# Altium PCB PCB1.PcbDoc (part 2 of 14)
Units mm, origin at the board's own origin, x right, y up, seen from the top; angles counter-clockwise.
Board outline 77.2 x 62.23 mm, 2 copper layers (Top Layer, Bottom Layer); 102 components, 131 nets, 23089 pads, 324 vias.
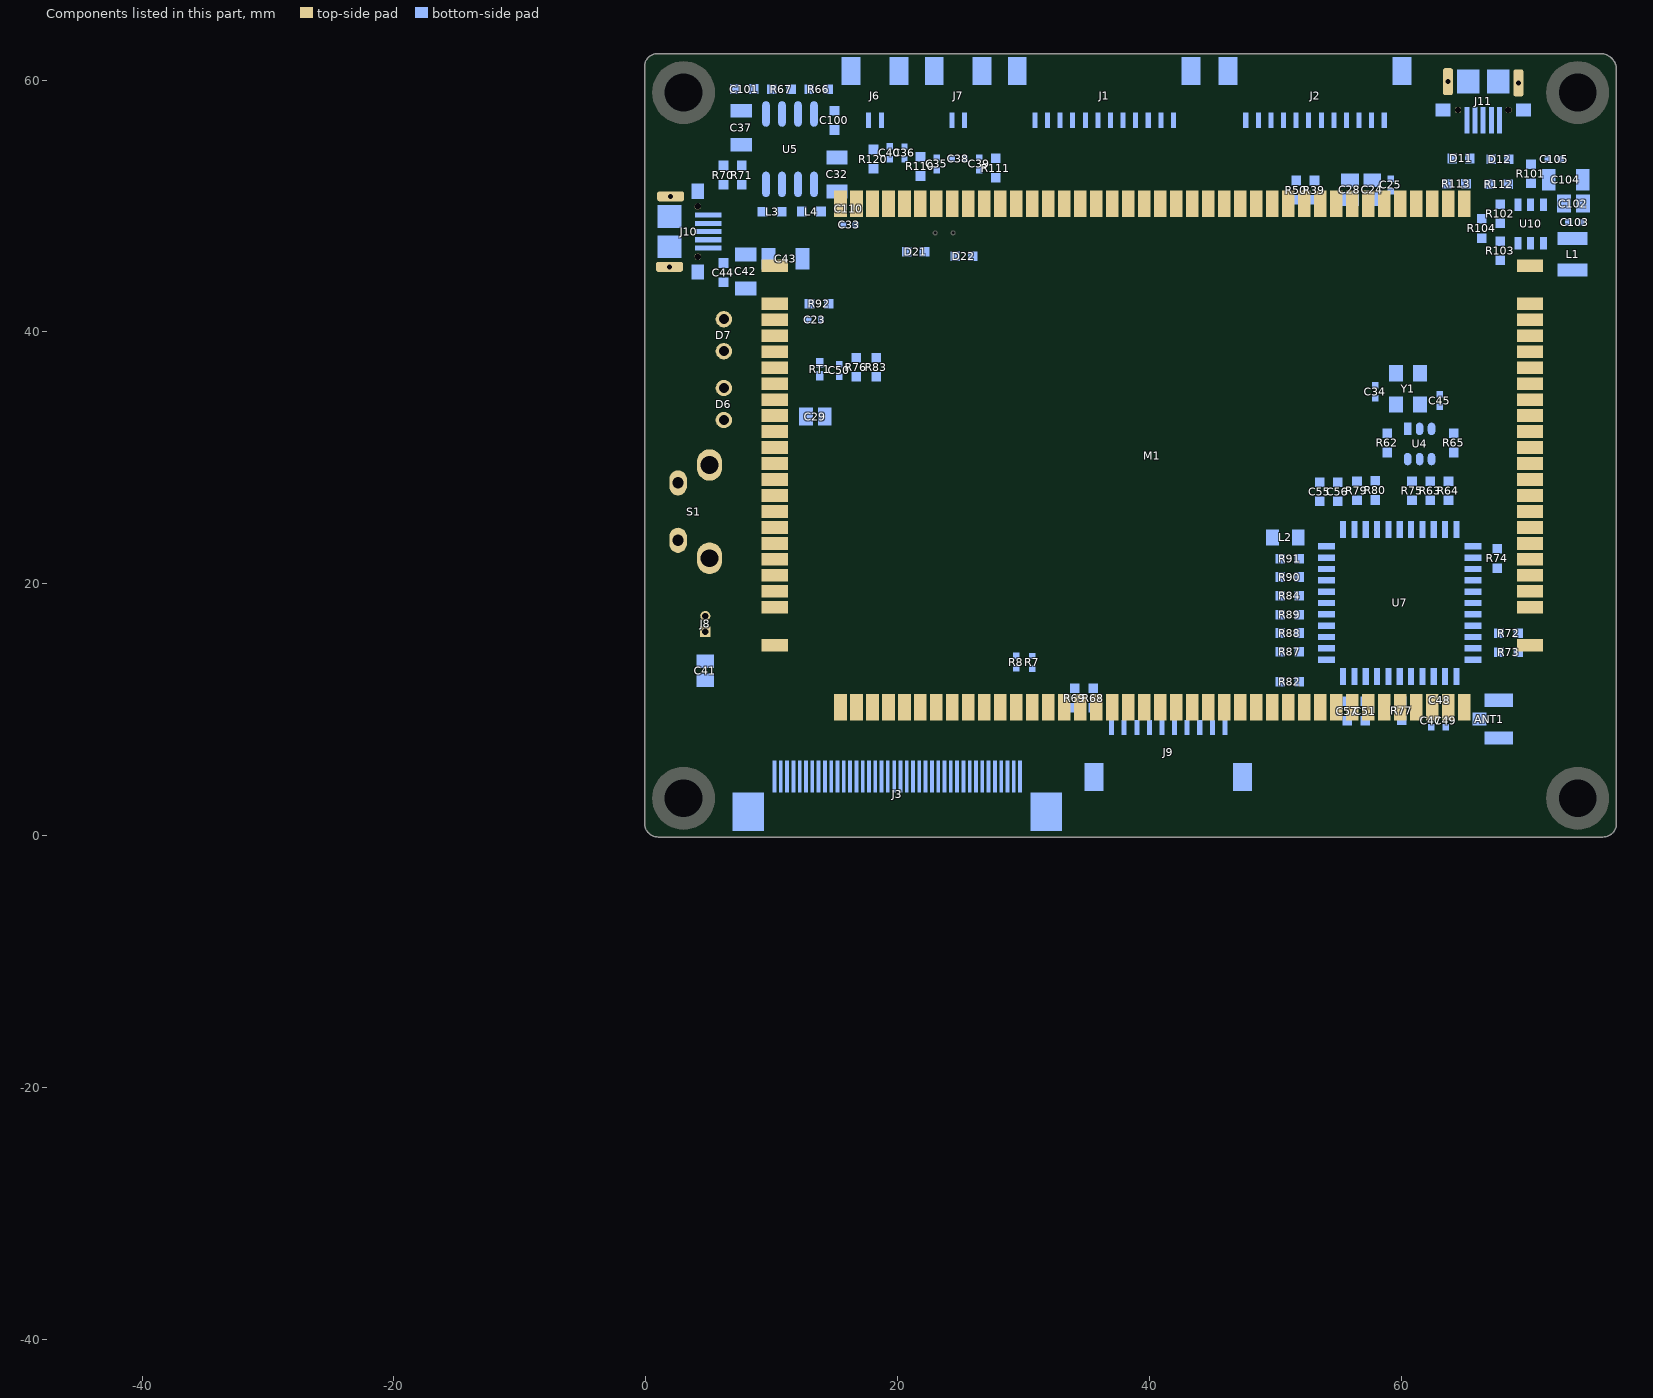
[diagram p2: the components of this part, seen from the top]

## Free pads (board coordinates) (continued)
  round 0 on Mech8: 1(-45.295,-40.487) 1(-45.295,-40.487) 1(-45.295,-40.487) 1(-45.295,-40.481) 1(-45.295,-40.481) 1(-45.295,-40.481) 1(-45.295,-40.491) 1(-45.295,-40.491) 1(-45.295,-40.491) 1(-45.295,-40.491) 1(-45.295,-40.491) 1(-45.295,-40.491) 1(-45.295,-40.487) 1(-45.295,-40.487) 1(-45.295,-40.487) 1(-45.295,-40.486) 1(-45.295,-40.486) 1(-45.295,-40.486) 1(-45.295,-40.486) 1(-45.295,-40.486) 1(-45.295,-40.486) 1(-45.295,-40.481) 1(-45.295,-40.481) 1(-45.295,-40.481) 1(-45.294,-40.491) 1(-45.294,-40.491) 1(-45.294,-40.491) 1(-45.294,-40.487) 1(-45.294,-40.487) 1(-45.294,-40.487) 1(-45.294,-40.486) 1(-45.294,-40.486) 1(-45.294,-40.486) 1(-45.294,-40.481) 1(-45.294,-40.481) 1(-45.294,-40.481) 1(-45.294,-40.479) 1(-45.294,-40.479) 1(-45.294,-40.479) 1(-45.294,-40.479) 1(-45.294,-40.479) 1(-45.294,-40.479) 1(-45.294,-40.472) 1(-45.294,-40.472) 1(-45.294,-40.472) 1(-45.294,-40.472) 1(-45.294,-40.472) 1(-45.294,-40.472) 1(-45.294,-40.491) 1(-45.294,-40.491) 1(-45.294,-40.491) 1(-45.294,-40.491) 1(-45.294,-40.491) 1(-45.294,-40.491) 1(-45.294,-40.487) 1(-45.294,-40.487) 1(-45.294,-40.487) 1(-45.294,-40.487) 1(-45.294,-40.487) 1(-45.294,-40.487) 1(-45.294,-40.486) 1(-45.294,-40.486) 1(-45.294,-40.486) 1(-45.294,-40.486) 1(-45.294,-40.486) 1(-45.294,-40.486) 1(-45.294,-40.481) 1(-45.294,-40.481) 1(-45.294,-40.481) 1(-45.294,-40.481) 1(-45.294,-40.481) 1(-45.294,-40.481) 1(-45.293,-40.49) 1(-45.293,-40.49) 1(-45.293,-40.49) 1(-45.293,-40.488) 1(-45.293,-40.488) 1(-45.293,-40.488) 1(-45.293,-40.485) 1(-45.293,-40.485) 1(-45.293,-40.485) 1(-45.293,-40.483) 1(-45.293,-40.483) 1(-45.293,-40.483) 1(-45.29,-40.508) 1(-45.29,-40.508) 1(-45.29,-40.508) 1(-45.29,-40.508) 1(-45.29,-40.508) 1(-45.29,-40.508) 1(-45.29,-40.505) 1(-45.29,-40.505) 1(-45.29,-40.505) 1(-45.29,-40.505) 1(-45.29,-40.505) 1(-45.29,-40.505) 1(-45.289,-40.49) 1(-45.289,-40.49) 1(-45.289,-40.49) 1(-45.289,-40.485) 1(-45.289,-40.485) 1(-45.289,-40.485) 1(-45.289,-40.479) 1(-45.289,-40.479) 1(-45.289,-40.479) 1(-45.289,-40.479) 1(-45.289,-40.479) 1(-45.289,-40.479) 1(-45.289,-40.477) 1(-45.289,-40.477) 1(-45.289,-40.477) 1(-45.289,-40.474) 1(-45.289,-40.474) 1(-45.289,-40.474) 1(-45.289,-40.472) 1(-45.289,-40.472) 1(-45.289,-40.472) 1(-45.289,-40.472) 1(-45.289,-40.472) 1(-45.289,-40.472) 1(-45.288,-40.488) 1(-45.288,-40.488) 1(-45.288,-40.488) 1(-45.288,-40.483) 1(-45.288,-40.483) 1(-45.288,-40.483) 1(-45.288,-40.472) 1(-45.288,-40.472) 1(-45.288,-40.472) 1(-45.288,-40.472) 1(-45.288,-40.472) 1(-45.288,-40.472) 1(-45.288,-40.471) 1(-45.288,-40.471) 1(-45.288,-40.471) 1(-45.288,-40.47) 1(-45.288,-40.47) 1(-45.288,-40.47) 1(-45.288,-40.469) 1(-45.288,-40.469) 1(-45.288,-40.469) 1(-45.288,-40.469) 1(-45.288,-40.469) 1(-45.288,-40.469) 1(-45.288,-40.508) 1(-45.288,-40.508) 1(-45.288,-40.508) 1(-45.288,-40.508) 1(-45.288,-40.508) 1(-45.288,-40.508) 1(-45.288,-40.505) 1(-45.288,-40.505) 1(-45.288,-40.505) 1(-45.288,-40.505) 1(-45.288,-40.505) 1(-45.288,-40.505) 1(-45.287,-40.472) 1(-45.287,-40.472) 1(-45.287,-40.472) 1(-45.287,-40.472) 1(-45.287,-40.472) 1(-45.287,-40.472) 1(-45.287,-40.471) 1(-45.287,-40.471) 1(-45.287,-40.471) 1(-45.287,-40.47) 1(-45.287,-40.47) 1(-45.287,-40.47) 1(-45.287,-40.469) 1(-45.287,-40.469) 1(-45.287,-40.469) 1(-45.287,-40.469) 1(-45.287,-40.469) 1(-45.287,-40.469) 1(-45.287,-40.472) 1(-45.287,-40.472) 1(-45.287,-40.472) 1(-45.287,-40.472) 1(-45.287,-40.472) 1(-45.287,-40.472) 1(-45.287,-40.471) 1(-45.287,-40.471) 1(-45.287,-40.471) 1(-45.287,-40.47) 1(-45.287,-40.47) 1(-45.287,-40.47) 1(-45.287,-40.469) 1(-45.287,-40.469) 1(-45.287,-40.469) 1(-45.287,-40.469) 1(-45.287,-40.469) 1(-45.287,-40.469) 1(-45.286,-40.506) 1(-45.286,-40.506) 1(-45.286,-40.506) 1(-45.286,-40.506) 1(-45.286,-40.506) 1(-45.286,-40.506) 1(-45.286,-40.505) 1(-45.286,-40.505) 1(-45.286,-40.505) 1(-45.286,-40.504) 1(-45.286,-40.504) 1(-45.286,-40.504) 1(-45.286,-40.503) 1(-45.286,-40.503) 1(-45.286,-40.503) 1(-45.286,-40.503) 1(-45.286,-40.503) 1(-45.286,-40.503) 1(-45.285,-40.496) 1(-45.285,-40.496) 1(-45.285,-40.496) 1(-45.285,-40.496) 1(-45.285,-40.496) 1(-45.285,-40.496) 1(-45.285,-40.495) 1(-45.285,-40.495) 1(-45.285,-40.495) 1(-45.285,-40.494) 1(-45.285,-40.494) 1(-45.285,-40.494) 1(-45.285,-40.493) 1(-45.285,-40.493) 1(-45.285,-40.493) 1(-45.285,-40.493) 1(-45.285,-40.493) 1(-45.285,-40.493) 1(-45.285,-40.472) 1(-45.285,-40.472) 1(-45.285,-40.472) 1(-45.285,-40.472) 1(-45.285,-40.472) 1(-45.285,-40.472) 1(-45.285,-40.471) 1(-45.285,-40.471) 1(-45.285,-40.471) 1(-45.285,-40.47) 1(-45.285,-40.47) 1(-45.285,-40.47) 1(-45.285,-40.469) 1(-45.285,-40.469) 1(-45.285,-40.469) 1(-45.285,-40.469) 1(-45.285,-40.469) 1(-45.285,-40.469) 1(-45.285,-40.503) 1(-45.285,-40.503) 1(-45.285,-40.503) 1(-45.285,-40.503) 1(-45.285,-40.503) 1(-45.285,-40.503) 1(-45.285,-40.502) 1(-45.285,-40.502) 1(-45.285,-40.502) 1(-45.285,-40.502) 1(-45.285,-40.502) 1(-45.285,-40.502) 1(-45.285,-40.509) 1(-45.285,-40.509) 1(-45.285,-40.509) 1(-45.285,-40.509) 1(-45.285,-40.509) 1(-45.285,-40.509) 1(-45.285,-40.508) 1(-45.285,-40.508) 1(-45.285,-40.508) 1(-45.285,-40.507) 1(-45.285,-40.507) 1(-45.285,-40.507) 1(-45.285,-40.506) 1(-45.285,-40.506) 1(-45.285,-40.506) 1(-45.285,-40.506) 1(-45.285,-40.506) 1(-45.285,-40.506) 1(-45.285,-40.506) 1(-45.285,-40.506) 1(-45.285,-40.506) 1(-45.285,-40.506) 1(-45.285,-40.506) 1(-45.285,-40.506) 1(-45.285,-40.505) 1(-45.285,-40.505) 1(-45.285,-40.505) 1(-45.285,-40.504) 1(-45.285,-40.504) 1(-45.285,-40.504) 1(-45.285,-40.503) 1(-45.285,-40.503) 1(-45.285,-40.503) 1(-45.285,-40.503) 1(-45.285,-40.503) 1(-45.285,-40.503) 1(-45.285,-40.474) 1(-45.285,-40.474) 1(-45.285,-40.474) 1(-45.285,-40.474) 1(-45.285,-40.474) 1(-45.285,-40.474) 1(-45.285,-40.473) 1(-45.285,-40.473) 1(-45.285,-40.473) 1(-45.285,-40.473) 1(-45.285,-40.473) 1(-45.285,-40.473) 1(-45.285,-40.506) 1(-45.285,-40.506) 1(-45.285,-40.506) 1(-45.285,-40.506) 1(-45.285,-40.506) 1(-45.285,-40.506) 1(-45.285,-40.505) 1(-45.285,-40.505) 1(-45.285,-40.505) 1(-45.285,-40.504) 1(-45.285,-40.504) 1(-45.285,-40.504) 1(-45.285,-40.503) 1(-45.285,-40.503) 1(-45.285,-40.503) 1(-45.285,-40.503) 1(-45.285,-40.503) 1(-45.285,-40.503) 1(-45.285,-40.499) 1(-45.285,-40.499) 1(-45.285,-40.499) 1(-45.285,-40.499) 1(-45.285,-40.499) 1(-45.285,-40.499) 1(-45.285,-40.498) 1(-45.285,-40.498) 1(-45.285,-40.498) 1(-45.285,-40.498) 1(-45.285,-40.498) 1(-45.285,-40.498) 1(-45.285,-40.497) 1(-45.285,-40.497) 1(-45.285,-40.497) 1(-45.285,-40.497) 1(-45.285,-40.497) 1(-45.285,-40.497) 1(-45.285,-40.47) 1(-45.285,-40.47) 1(-45.285,-40.47) 1(-45.285,-40.47) 1(-45.285,-40.47) 1(-45.285,-40.47) 1(-45.285,-40.469) 1(-45.285,-40.469) 1(-45.285,-40.469) 1(-45.285,-40.469) 1(-45.285,-40.469) 1(-45.285,-40.469) 1(-45.285,-40.468) 1(-45.285,-40.468) 1(-45.285,-40.468) 1(-45.285,-40.468) 1(-45.285,-40.468) 1(-45.285,-40.468) 1(-45.285,-40.467) 1(-45.285,-40.467) 1(-45.285,-40.467) 1(-45.285,-40.467) 1(-45.285,-40.467) 1(-45.285,-40.467) 1(-45.284,-40.465) 1(-45.284,-40.465) 1(-45.284,-40.465) 1(-45.284,-40.465) 1(-45.284,-40.465) 1(-45.284,-40.465) 1(-45.284,-40.463) 1(-45.284,-40.463) 1(-45.284,-40.463) 1(-45.284,-40.463) 1(-45.284,-40.463) 1(-45.284,-40.463) 1(-45.284,-40.496) 1(-45.284,-40.496) 1(-45.284,-40.496) 1(-45.284,-40.496) 1(-45.284,-40.496) 1(-45.284,-40.496) 1(-45.284,-40.495) 1(-45.284,-40.495) 1(-45.284,-40.495) 1(-45.284,-40.494) 1(-45.284,-40.494) 1(-45.284,-40.494) 1(-45.284,-40.493) 1(-45.284,-40.493) 1(-45.284,-40.493) 1(-45.284,-40.493) 1(-45.284,-40.493) 1(-45.284,-40.493) 1(-45.284,-40.503) 1(-45.284,-40.503) 1(-45.284,-40.503) 1(-45.284,-40.502) 1(-45.284,-40.502) 1(-45.284,-40.502) 1(-45.284,-40.474) 1(-45.284,-40.474) 1(-45.284,-40.474) 1(-45.284,-40.473) 1(-45.284,-40.473) 1(-45.284,-40.473) 1(-45.284,-40.496) 1(-45.284,-40.496) 1(-45.284,-40.496) 1(-45.284,-40.496) 1(-45.284,-40.496) 1(-45.284,-40.496) 1(-45.284,-40.495) 1(-45.284,-40.495) 1(-45.284,-40.495) 1(-45.284,-40.494) 1(-45.284,-40.494) 1(-45.284,-40.494) 1(-45.284,-40.493) 1(-45.284,-40.493) 1(-45.284,-40.493) 1(-45.284,-40.493) 1(-45.284,-40.493) 1(-45.284,-40.493) 1(-45.284,-40.509) 1(-45.284,-40.509) 1(-45.284,-40.509) 1(-45.284,-40.509) 1(-45.284,-40.509) 1(-45.284,-40.509) 1(-45.284,-40.508) 1(-45.284,-40.508) 1(-45.284,-40.508) 1(-45.284,-40.507) 1(-45.284,-40.507) 1(-45.284,-40.507) 1(-45.284,-40.506) 1(-45.284,-40.506) 1(-45.284,-40.506) 1(-45.284,-40.506) 1(-45.284,-40.506) 1(-45.284,-40.506) 1(-45.284,-40.509) 1(-45.284,-40.509) 1(-45.284,-40.509) 1(-45.284,-40.509) 1(-45.284,-40.509) 1(-45.284,-40.509) 1(-45.284,-40.508) 1(-45.284,-40.508) 1(-45.284,-40.508) 1(-45.284,-40.507) 1(-45.284,-40.507) 1(-45.284,-40.507) 1(-45.284,-40.506) 1(-45.284,-40.506) 1(-45.284,-40.506) 1(-45.284,-40.506) 1(-45.284,-40.506) 1(-45.284,-40.506) 1(-45.284,-40.506) 1(-45.284,-40.506) 1(-45.284,-40.506) 1(-45.284,-40.506) 1(-45.284,-40.506) 1(-45.284,-40.506) 1(-45.284,-40.505) 1(-45.284,-40.505) 1(-45.284,-40.505) 1(-45.284,-40.504) 1(-45.284,-40.504) 1(-45.284,-40.504) 1(-45.284,-40.503) 1(-45.284,-40.503) 1(-45.284,-40.503) 1(-45.284,-40.503) 1(-45.284,-40.503) 1(-45.284,-40.503) 1(-45.284,-40.499) 1(-45.284,-40.499) 1(-45.284,-40.499) 1(-45.284,-40.499) 1(-45.284,-40.499) 1(-45.284,-40.499) 1(-45.284,-40.498) 1(-45.284,-40.498) 1(-45.284,-40.498) 1(-45.284,-40.498) 1(-45.284,-40.498) 1(-45.284,-40.498) 1(-45.284,-40.497) 1(-45.284,-40.497) 1(-45.284,-40.497) 1(-45.284,-40.497) 1(-45.284,-40.497) 1(-45.284,-40.497) 1(-45.283,-40.503) 1(-45.283,-40.503) 1(-45.283,-40.503) 1(-45.283,-40.502) 1(-45.283,-40.502) 1(-45.283,-40.502) 1(-45.283,-40.465) 1(-45.283,-40.465) 1(-45.283,-40.465) 1(-45.283,-40.463) 1(-45.283,-40.463) 1(-45.283,-40.463) 1(-45.283,-40.474) 1(-45.283,-40.474) 1(-45.283,-40.474) 1(-45.283,-40.473) 1(-45.283,-40.473) 1(-45.283,-40.473) 1(-45.283,-40.496) 1(-45.283,-40.496) 1(-45.283,-40.496) 1(-45.283,-40.496) 1(-45.283,-40.496) 1(-45.283,-40.496) 1(-45.283,-40.495) 1(-45.283,-40.495) 1(-45.283,-40.495) 1(-45.283,-40.494) 1(-45.283,-40.494) 1(-45.283,-40.494) 1(-45.283,-40.493) 1(-45.283,-40.493) 1(-45.283,-40.493) 1(-45.283,-40.493) 1(-45.283,-40.493) 1(-45.283,-40.493) 1(-45.283,-40.496) 1(-45.283,-40.496) 1(-45.283,-40.496) 1(-45.283,-40.496) 1(-45.283,-40.496) 1(-45.283,-40.496) 1(-45.283,-40.495) 1(-45.283,-40.495) 1(-45.283,-40.495) 1(-45.283,-40.494) 1(-45.283,-40.494) 1(-45.283,-40.494) 1(-45.283,-40.493) 1(-45.283,-40.493) 1(-45.283,-40.493) 1(-45.283,-40.493) 1(-45.283,-40.493) 1(-45.283,-40.493) 1(-45.283,-40.465) 1(-45.283,-40.465) 1(-45.283,-40.465) 1(-45.283,-40.463) 1(-45.283,-40.463) 1(-45.283,-40.463) 1(-45.282,-40.506) 1(-45.282,-40.506) 1(-45.282,-40.506) 1(-45.282,-40.509) 1(-45.282,-40.509) 1(-45.282,-40.509) 1(-45.282,-40.509) 1(-45.282,-40.509) 1(-45.282,-40.509) 1(-45.282,-40.508) 1(-45.282,-40.508) 1(-45.282,-40.508) 1(-45.282,-40.507) 1(-45.282,-40.507) 1(-45.282,-40.507) 1(-45.282,-40.506) 1(-45.282,-40.506) 1(-45.282,-40.506) 1(-45.282,-40.506) 1(-45.282,-40.506) 1(-45.282,-40.506) 1(-45.282,-40.503) 1(-45.282,-40.503) 1(-45.282,-40.503) 1(-45.282,-40.503) 1(-45.282,-40.503) 1(-45.282,-40.503) 1(-45.282,-40.502) 1(-45.282,-40.502) 1(-45.282,-40.502) 1(-45.282,-40.502) 1(-45.282,-40.502) 1(-45.282,-40.502) 1(-45.282,-40.474) 1(-45.282,-40.474) 1(-45.282,-40.474) 1(-45.282,-40.474) 1(-45.282,-40.474) 1(-45.282,-40.474) 1(-45.282,-40.473) 1(-45.282,-40.473) 1(-45.282,-40.473) 1(-45.282,-40.473) 1(-45.282,-40.473) 1(-45.282,-40.473) 1(-45.282,-40.506) 1(-45.282,-40.506) 1(-45.282,-40.506) 1(-45.282,-40.506) 1(-45.282,-40.506) 1(-45.282,-40.506) 1(-45.282,-40.474) 1(-45.282,-40.474) 1(-45.282,-40.474) 1(-45.282,-40.474) 1(-45.282,-40.474) 1(-45.282,-40.474) 1(-45.282,-40.473) 1(-45.282,-40.473) 1(-45.282,-40.473) 1(-45.282,-40.473) 1(-45.282,-40.473) 1(-45.282,-40.473) 1(-45.282,-40.506) 1(-45.282,-40.506) 1(-45.282,-40.506) 1(-45.282,-40.506) 1(-45.282,-40.506) 1(-45.282,-40.506) 1(-45.282,-40.506) 1(-45.282,-40.506) 1(-45.282,-40.506) 1(-45.281,-40.465) 1(-45.281,-40.465) 1(-45.281,-40.465) 1(-45.281,-40.465) 1(-45.281,-40.465) 1(-45.281,-40.465) 1(-45.281,-40.463) 1(-45.281,-40.463) 1(-45.281,-40.463) 1(-45.281,-40.463) 1(-45.281,-40.463) 1(-45.281,-40.463) 1(-45.281,-40.465) 1(-45.281,-40.465) 1(-45.281,-40.465) 1(-45.281,-40.465) 1(-45.281,-40.465) 1(-45.281,-40.465) 1(-45.281,-40.463) 1(-45.281,-40.463) 1(-45.281,-40.463) 1(-45.281,-40.463) 1(-45.281,-40.463) 1(-45.281,-40.463) 1(-45.281,-40.482) 1(-45.281,-40.482) 1(-45.281,-40.482) 1(-45.281,-40.482) 1(-45.281,-40.482) 1(-45.281,-40.482) 1(-45.281,-40.48) 1(-45.281,-40.48) 1(-45.281,-40.48) 1(-45.281,-40.48) 1(-45.281,-40.48) 1(-45.281,-40.48) 1(-45.281,-40.496) 1(-45.281,-40.496) 1(-45.281,-40.496) 1(-45.281,-40.496) 1(-45.281,-40.496) 1(-45.281,-40.496) 1(-45.281,-40.495) 1(-45.281,-40.495) 1(-45.281,-40.495) 1(-45.281,-40.494) 1(-45.281,-40.494) 1(-45.281,-40.494) 1(-45.281,-40.493) 1(-45.281,-40.493) 1(-45.281,-40.493) 1(-45.281,-40.493) 1(-45.281,-40.493) 1(-45.281,-40.493) 1(-45.281,-40.474) 1(-45.281,-40.474) 1(-45.281,-40.474) 1(-45.281,-40.473) 1(-45.281,-40.473) 1(-45.281,-40.473) 1(-45.281,-40.488) 1(-45.281,-40.488) 1(-45.281,-40.488) 1(-45.281,-40.488) 1(-45.281,-40.488) 1(-45.281,-40.488) 1(-45.281,-40.486) 1(-45.281,-40.486) 1(-45.281,-40.486) 1(-45.281,-40.486) 1(-45.281,-40.486) 1(-45.281,-40.486) 1(-45.281,-40.485) 1(-45.281,-40.485) 1(-45.281,-40.485) 1(-45.281,-40.485) 1(-45.281,-40.485) 1(-45.281,-40.485) 1(-45.28,-40.465) 1(-45.28,-40.465) 1(-45.28,-40.465) 1(-45.28,-40.463) 1(-45.28,-40.463) 1(-45.28,-40.463) 1(-45.28,-40.482) 1(-45.28,-40.482) 1(-45.28,-40.482) 1(-45.28,-40.48) 1(-45.28,-40.48) 1(-45.28,-40.48) 1(-45.28,-40.474) 1(-45.28,-40.474) 1(-45.28,-40.474) 1(-45.28,-40.473) 1(-45.28,-40.473) 1(-45.28,-40.473) 1(-45.28,-40.509) 1(-45.28,-40.509) 1(-45.28,-40.509) 1(-45.28,-40.509) 1(-45.28,-40.509) 1(-45.28,-40.509) 1(-45.28,-40.508) 1(-45.28,-40.508) 1(-45.28,-40.508) 1(-45.28,-40.507) 1(-45.28,-40.507) 1(-45.28,-40.507) 1(-45.28,-40.506) 1(-45.28,-40.506) 1(-45.28,-40.506) 1(-45.28,-40.506) 1(-45.28,-40.506) 1(-45.28,-40.506) 1(-45.28,-40.47) 1(-45.28,-40.47) 1(-45.28,-40.47) 1(-45.28,-40.47) 1(-45.28,-40.47) 1(-45.28,-40.47) 1(-45.28,-40.467) 1(-45.28,-40.467) 1(-45.28,-40.467) 1(-45.28,-40.467) 1(-45.28,-40.467) 1(-45.28,-40.467) 1(-45.28,-40.465) 1(-45.28,-40.465) 1(-45.28,-40.465) 1(-45.28,-40.463) 1(-45.28,-40.463) 1(-45.28,-40.463) 1(-45.28,-40.482) 1(-45.28,-40.482) 1(-45.28,-40.482) 1(-45.28,-40.48) 1(-45.28,-40.48) 1(-45.28,-40.48) 1(-45.279,-40.474) 1(-45.279,-40.474) 1(-45.279,-40.474) 1(-45.279,-40.474) 1(-45.279,-40.474) 1(-45.279,-40.474) 1(-45.279,-40.473) 1(-45.279,-40.473) 1(-45.279,-40.473) 1(-45.279,-40.473) 1(-45.279,-40.473) 1(-45.279,-40.473) 1(-45.279,-40.488) 1(-45.279,-40.488) 1(-45.279,-40.488) 1(-45.279,-40.488) 1(-45.279,-40.488) 1(-45.279,-40.488) 1(-45.279,-40.486) 1(-45.279,-40.486) 1(-45.279,-40.486) 1(-45.279,-40.486) 1(-45.279,-40.486) 1(-45.279,-40.486) 1(-45.279,-40.485) 1(-45.279,-40.485) 1(-45.279,-40.485) 1(-45.279,-40.485) 1(-45.279,-40.485) 1(-45.279,-40.485) 1(-45.279,-40.496) 1(-45.279,-40.496) 1(-45.279,-40.496) 1(-45.279,-40.496) 1(-45.279,-40.496) 1(-45.279,-40.496) 1(-45.279,-40.495) 1(-45.279,-40.495) 1(-45.279,-40.495) 1(-45.279,-40.494) 1(-45.279,-40.494) 1(-45.279,-40.494) 1(-45.279,-40.493) 1(-45.279,-40.493) 1(-45.279,-40.493) 1(-45.279,-40.493) 1(-45.279,-40.493) 1(-45.279,-40.493) 1(-45.279,-40.465) 1(-45.279,-40.465) 1(-45.279,-40.465) 1(-45.279,-40.465) 1(-45.279,-40.465) 1(-45.279,-40.465) 1(-45.279,-40.463) 1(-45.279,-40.463) 1(-45.279,-40.463) 1(-45.279,-40.463) 1(-45.279,-40.463) 1(-45.279,-40.463) 1(-45.278,-40.482) 1(-45.278,-40.482) 1(-45.278,-40.482) 1(-45.278,-40.482) 1(-45.278,-40.482) 1(-45.278,-40.482) 1(-45.278,-40.48) 1(-45.278,-40.48) 1(-45.278,-40.48) 1(-45.278,-40.48) 1(-45.278,-40.48) 1(-45.278,-40.48) 1(-45.278,-40.509) 1(-45.278,-40.509) 1(-45.278,-40.509) 1(-45.278,-40.509) 1(-45.278,-40.509) 1(-45.278,-40.509) 1(-45.278,-40.508) 1(-45.278,-40.508) 1(-45.278,-40.508) 1(-45.278,-40.507) 1(-45.278,-40.507) 1(-45.278,-40.507) 1(-45.278,-40.506) 1(-45.278,-40.506) 1(-45.278,-40.506) 1(-45.278,-40.506) 1(-45.278,-40.506) 1(-45.278,-40.506) 1(-45.278,-40.509) 1(-45.278,-40.509) 1(-45.278,-40.509) 1(-45.278,-40.509) 1(-45.278,-40.509) 1(-45.278,-40.509) 1(-45.278,-40.508) 1(-45.278,-40.508) 1(-45.278,-40.508) 1(-45.278,-40.507) 1(-45.278,-40.507) 1(-45.278,-40.507) 1(-45.278,-40.506) 1(-45.278,-40.506) 1(-45.278,-40.506) 1(-45.278,-40.506) 1(-45.278,-40.506) 1(-45.278,-40.506) 1(-45.278,-40.487) 1(-45.278,-40.487) 1(-45.278,-40.487) 1(-45.278,-40.487) 1(-45.278,-40.487) 1(-45.278,-40.487) 1(-45.278,-40.486) 1(-45.278,-40.486) 1(-45.278,-40.486) 1(-45.278,-40.486) 1(-45.278,-40.486) 1(-45.278,-40.486) 1(-45.278,-40.485) 1(-45.278,-40.485) 1(-45.278,-40.485) 1(-45.278,-40.485) 1(-45.278,-40.485) 1(-45.278,-40.485) 1(-45.277,-40.496) 1(-45.277,-40.496) 1(-45.277,-40.496) 1(-45.277,-40.496) 1(-45.277,-40.496) 1(-45.277,-40.496) 1(-45.277,-40.495) 1(-45.277,-40.495) 1(-45.277,-40.495) 1(-45.277,-40.494) 1(-45.277,-40.494) 1(-45.277,-40.494) 1(-45.277,-40.493) 1(-45.277,-40.493) 1(-45.277,-40.493) 1(-45.277,-40.493) 1(-45.277,-40.493) 1(-45.277,-40.493) 1(-45.277,-40.509) 1(-45.277,-40.509) 1(-45.277,-40.509) 1(-45.277,-40.509) 1(-45.277,-40.509) 1(-45.277,-40.509) 1(-45.277,-40.508) 1(-45.277,-40.508) 1(-45.277,-40.508) 1(-45.277,-40.507) 1(-45.277,-40.507) 1(-45.277,-40.507) 1(-45.277,-40.506) 1(-45.277,-40.506) 1(-45.277,-40.506) 1(-45.277,-40.506) 1(-45.277,-40.506) 1(-45.277,-40.506) 1(-45.277,-40.505) 1(-45.277,-40.505) 1(-45.277,-40.505) 1(-45.277,-40.505) 1(-45.277,-40.505) 1(-45.277,-40.505) 1(-45.277,-40.504) 1(-45.277,-40.504) 1(-45.277,-40.504) 1(-45.277,-40.503) 1(-45.277,-40.503) 1(-45.277,-40.503) 1(-45.277,-40.502) 1(-45.277,-40.502) 1(-45.277,-40.502) 1(-45.277,-40.502) 1(-45.277,-40.502) 1(-45.277,-40.502) 1(-45.277,-40.502) 1(-45.277,-40.502) 1(-45.277,-40.502) 1(-45.277,-40.502) 1(-45.277,-40.502) 1(-45.277,-40.502) 1(-45.277,-40.501) 1(-45.277,-40.501) 1(-45.277,-40.501) 1(-45.277,-40.5) 1(-45.277,-40.5) 1(-45.277,-40.5) 1(-45.277,-40.499) 1(-45.277,-40.499) 1(-45.277,-40.499) 1(-45.277,-40.499) 1(-45.277,-40.499) 1(-45.277,-40.499) 1(-45.277,-40.499) 1(-45.277,-40.499) 1(-45.277,-40.499) 1(-45.277,-40.499) 1(-45.277,-40.499) 1(-45.277,-40.499) 1(-45.277,-40.498) 1(-45.277,-40.498) 1(-45.277,-40.498) 1(-45.277,-40.497) 1(-45.277,-40.497) 1(-45.277,-40.497) 1(-45.277,-40.496) 1(-45.277,-40.496) 1(-45.277,-40.496) 1(-45.277,-40.496) 1(-45.277,-40.496) 1(-45.277,-40.496) 1(-45.277,-40.496) 1(-45.277,-40.496) 1(-45.277,-40.496) 1(-45.277,-40.496) 1(-45.277,-40.496) 1(-45.277,-40.496) 1(-45.277,-40.495) 1(-45.277,-40.495) 1(-45.277,-40.495) 1(-45.277,-40.494) 1(-45.277,-40.494) 1(-45.277,-40.494) 1(-45.277,-40.493) 1(-45.277,-40.493) 1(-45.277,-40.493) 1(-45.277,-40.493) 1(-45.277,-40.493) 1(-45.277,-40.493) 1(-45.277,-40.509) 1(-45.277,-40.509) 1(-45.277,-40.509) 1(-45.277,-40.509) 1(-45.277,-40.509) 1(-45.277,-40.509) 1(-45.277,-40.508) 1(-45.277,-40.508) 1(-45.277,-40.508) 1(-45.277,-40.507) 1(-45.277,-40.507) 1(-45.277,-40.507) 1(-45.277,-40.506) 1(-45.277,-40.506) 1(-45.277,-40.506) 1(-45.277,-40.506) 1(-45.277,-40.506) 1(-45.277,-40.506) 1(-45.277,-40.491) 1(-45.277,-40.491) 1(-45.277,-40.491) 1(-45.277,-40.491) 1(-45.277,-40.491) 1(-45.277,-40.491) 1(-45.277,-40.49) 1(-45.277,-40.49) 1(-45.277,-40.49) 1(-45.276,-40.487) 1(-45.276,-40.487) 1(-45.276,-40.487) 1(-45.276,-40.487) 1(-45.276,-40.487) 1(-45.276,-40.487) 1(-45.276,-40.486) 1(-45.276,-40.486) 1(-45.276,-40.486) 1(-45.276,-40.486) 1(-45.276,-40.486) 1(-45.276,-40.486) 1(-45.276,-40.485) 1(-45.276,-40.485) 1(-45.276,-40.485) 1(-45.276,-40.485) 1(-45.276,-40.485) 1(-45.276,-40.485) 1(-45.276,-40.471) 1(-45.276,-40.471) 1(-45.276,-40.471) 1(-45.276,-40.471) 1(-45.276,-40.471) 1(-45.276,-40.471) 1(-45.276,-40.47) 1(-45.276,-40.47) 1(-45.276,-40.47) 1(-45.276,-40.469) 1(-45.276,-40.469) 1(-45.276,-40.469) 